# KiCad board tinysdr.kicad_pcb (continued)
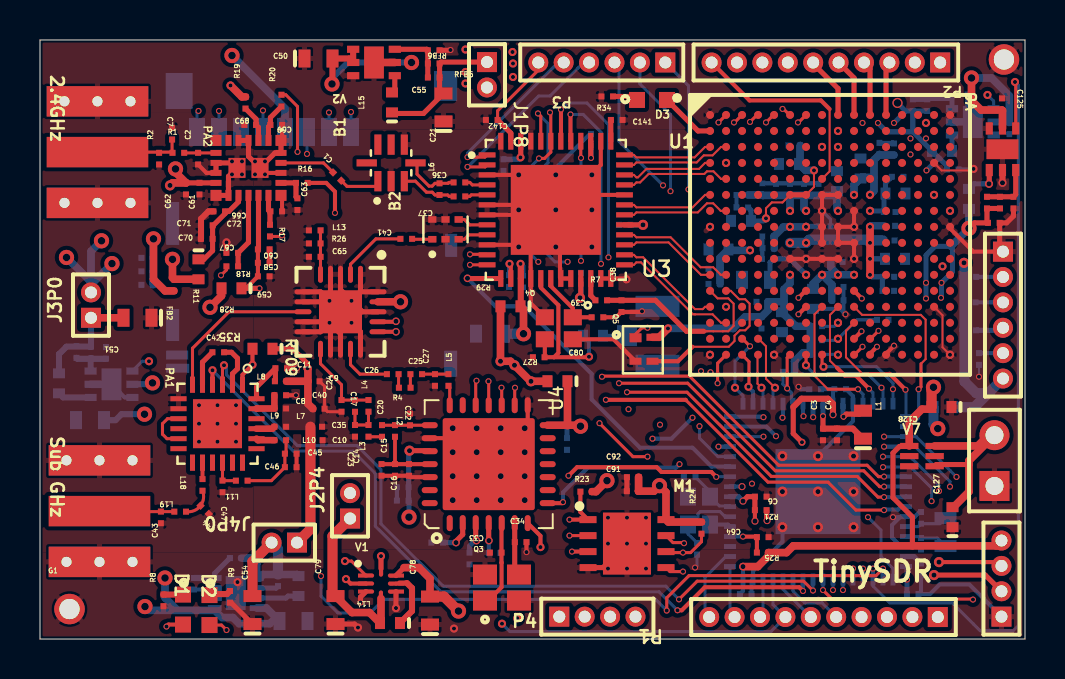
[diagram p0: board, top side]
## Nets (continued)
FPGA_TCK: FPGA.5 R22.2 U1.T10
FPGA_TDI: FPGA.4 R5.1 U1.R11
FPGA_TDO: FPGA.3 R6.1 U1.M10
FPGA_TMS: FPGA.2 R12.1 U1.T11
GPIO1: P2.1 U1.G16
GPIO2: P2.6 U1.A9
GPIO3: P2.5 U1.A10
GPIO4: P2.4 U1.A11
GPIO5: P2.3 U1.A12
GPIO6: P2.2 U1.F15
GPIO7: P2.7 U1.B9
GPIO8: P2.8 U1.C9
GPIO9: P2.9 U1.C8
GPIO10: P2.10 U1.E8
HFXIn: C77.2 Q2.3 U2.55
HFXOut: C76.1 Q2.1 U2.54
IQ_Radio_09: C41.2 RF09.2
IQ_Radio_24: C1.2 PA2.21
IQRadio_VCC: C135.1 C136.1 C137.1 C138.1 C139.1 C140.1 R29.1 U3.15 U3.21 U3.29 U3.39 U3.46
LED1: D1.2 U2.35 V5.4 V6.4
LED2: D2.2 U2.34
LFXIN: C75.2 Q1.1 U2.28
LFXOUT: C74.1 Q1.2 U2.29
MCU_CS: U1.R3 U2.1
MCU_GPIO1: P1.9 U2.49
MCU_GPIO2: P1.10 U2.50
MCU_GPIO7: P1.1 U2.19 U3.42
MCU_GPIO8: P1.2 U2.20 U3.41
MCU_GPIO9: P1.3 U2.21 U3.44
MCU_GPIO10: P1.4 U2.22 U3.43
MCU_MISO: U1.T4 U2.3
MCU_MOSI: U1.R4 U2.4
MCU_SCLK: U1.T3 U2.2
MSP_Radio_IRQ: U2.60 U3.40
Net2.4GHz_2: 2.4GHz.2 C7.2 R1.1 R2.2
NetB1_1: B1.1 C1.1
NetB2_1: B2.1 C41.1
NetC2_2: C2.2 PA2.8 R1.2
NetC3_2: C3.2 C4.2 L1.1 U2.9
NetC5_2: C5.2 C6.2 R21.2 U2.32 U2.56
NetC8_1: C8.1 L7.1 PA1.23
NetC11_1: C11.1 L8.1 PA1.24
NetC14_2: C14.2 C15.2 C16.2 L2.2 U4.25
NetC17_2: C17.2 C23.1 L3.2 L4.1
NetC20_1: C20.1 L3.1
NetC20_2: C20.2 C22.2 L2.1 U4.22
NetC21_2: C21.2 C55.2 J1P8.1 L15.1 RFB5.2
NetC25_1: C25.1 R4.2
NetC25_2: C25.2 C27.2 L5.2
NetC26_2: C26.2 R4.1
NetC28_2: C28.2 U4.4
NetC31_2: C31.2 U4.2
NetC42_1: C42.1 PA1.5
NetC42_2: C42.2 PA1.2
NetC43_2: C43.2 L19.2 Sub GHz.2
NetC44_2: C44.2 L18.2 L19.1
NetC45_1: C45.1 C46.1 L10.2 L11.1
NetC47_1: C47.1 L11.2 PA1.16
NetC51_2: C51.2 C56.2 J3P0.1 L16.1 RFB3.2
NetC54_2: C54.2 J4P0.2 L17.2 R30.2 RFB1.1 V4.5
NetC55_1: C55.1 RFB5.1 RFB6.2 V2.3
NetC56_1: C56.1 RFB3.1 RFB4.2 V3.3
NetC58_1: C58.1 C60.1
NetC63_2: C63.2 PA2.19 R16.1
NetC64_2: C64.2 R25.2 U2.52
NetC65_2: C65.2 L13.2 R26.2 RF09.5
NetC66_2: C66.2 PA2.17 R17.1
NetC67_1: C67.1 PA2.15 R18.1
NetC68_2: C68.2 PA2.3 R19.1
NetC69_2: C69.2 PA2.2 R20.1
NetC79_2: C79.2 J2P4.1 L14.2 V1.4
NetC95_1: C95.1 RFB7.1 RFB8.2 V5.3
NetC124_1: C124.1 RFB9.1 RFB10.2 V6.3
NetD1_1: D1.1 R8.2
NetD2_1: D2.1 R9.2
NetD3_1: D3.1 R34.2
NetL5_1: L5.1 U4.21
NetL9_1: L9.1 PA1.21
NetL10_1: L10.1 PA1.20
NetL12_2: L12.2 V5.1
NetL14_1: L14.1 V1.6
NetL15_2: L15.2 V2.1
NetL16_2: L16.2 V3.1
NetL17_1: L17.1 V4.7
NetL18_1: L18.1 PA1.14
NetL20_2: L20.2 V6.1
NetPA1_1: PA1.1 R35.2
NetPA1_6: PA1.6 RF09.8
NetPA1_9: PA1.9 PA1.11
NetR3_2: R3.2 U2.31
NetR7_1: R7.1 U3.22
NetR10_2: R10.2 TXCO_IN.1
NetR30_1: R30.1 V4.6
NetRFB1_2: RFB1.2 RFB2.2 V4.4
PL5_N: U1.C2 U3.35
PL5_P: U1.C1 U3.36
PL8_N: U1.E2 U3.33
PL8_P: U1.D1 U3.34
PL14_N: U1.G2 U3.30
PL14_P: U1.F1 U3.31
PL26_N: U1.L1 U3.27
PL26_P: U1.L2 U3.28
PL32_N: U1.P2 U3.25
PL32_P: U1.N1 U3.26
RF09_CPS: PA1.3 U2.41
RF09_CTX: PA1.4 U2.42
RF09_N: B2.3 U3.9
RF09_P: B2.4 U3.8
RF09_SW_A0: RF09.17 U2.5
RF09_SW_A1: RF09.16 U2.57
RF24_CPS: R18.2 U2.33
RF24_CRX: R20.2 U2.8
RF24_CTX: R17.2 U2.62
RF24_N: C37.1 U3.5
RF24_P: C36.1 U3.4
RF_DVDD: C141.1 U3.37
SD_CLK: microSD.5 U1.A4
SD_CMD: microSD.3 U1.A7
SD_DAT0: microSD.7 U1.A5
SD_DAT1: microSD.8 U1.A6
SD_DAT2: microSD.1 U1.A2
SD_DAT3: microSD.2 U1.A3
TCK_SWDCLK: MCU.3 U2.64
TCXO: C80.2 Q4.3 R10.1 U3.17
TMS_SWDIO: MCU.2 U2.63
V_PA24_1P8V: C58.2 C59.2 C60.2 PA2.16 R16.2 R28.1
V_PA24_3P0V: C70.2 C71.2 C72.2 PA2.14 R11.1
VSW: L1.2 U2.11
XTA: C33.1 Q3.1 U4.5
XTAL2: C39.2 Q4.1 U3.18
XTB: C34.1 Q3.3 U4.6

Pads without a net: B1 6 7 8; microSD 9 10; PA1 10 12 13 15 17 18 19 22; PA2 6; U1 A8 A13 A14 A15 B2 B3 B4 B5 B6 B7 B8 B10 B11 B12 B13 B14 B15 B16 C3 C4 C5 C6 C7 C10 C11 C12 C13 C14 C15 C16 D3 D4 D5 D6 D7 D8 D9 D10 D11 D12 D13 D14 D16 E1 E3 E4 E5 E6 E7 E9 E10 E11 E12 E13 E14 E15 E16 F2 F3 F4 F5 F12 F13 F14 F16 G1 G3 G4 G5 G12 G13 G14 G15 H2 H3 H4 H5 H12 H13 H14 H15 J1 J2 J3 J4 J5 J12 J13 J14 J15 J16 K1 K2 K3 K4 K5 K12 K13 K14 K15 K16 L3 L4 L5 L12 L13 L14 L15 L16 M3 M4 M5 M6 M8 M9 M11 M12 M13 M14 M15 M16 N3 N4 N5 N6 N11 N12 N13 N14 N16 P1 P3 P4 P5 P6 P7 P8 P11 P12 P13 P14 P15 P16 R1 R2 R5 R6 R7 R8 R12 R13 R14 R15 R16 T13 T14 T15; U4 1 9 10 11 12 13 20 27 28; V7 2 5

## Via types
v1: diameter 0.406, hole 0.203, Top Layer to Bottom Layer, 88 vias
v2: diameter 0.305, hole 0.203, Top Layer to Bottom Layer, 152 vias
v3: diameter 0.406, hole 0.254, Top Layer to Bottom Layer, 2 vias
v4: diameter 0.762, hole 0.381, Top Layer to Bottom Layer, 25 vias
v5: diameter 0.508, hole 0.254, Top Layer to Bottom Layer, 28 vias
v6: diameter 0.381, hole 0.254, Top Layer to Bottom Layer, 7 vias
v7: diameter 0.356, hole 0.254, Top Layer to Bottom Layer, 5 vias
v8: diameter 0.356, hole 0.203, Top Layer to Bottom Layer, 1 via
v9: diameter 0.508, hole 0.381, Top Layer to Bottom Layer, 1 via
v10: diameter 0.381, hole 0.203, Top Layer to Bottom Layer, 10 vias
v11: diameter 0.6, hole 0.3, Top Layer to Bottom Layer, 16 vias
v12: diameter 0.5, hole 0.203, Top Layer to Bottom Layer, 4 vias

## Routing (per net, layer and track width the routed paths; a pad name or vN(x,y) marks a point on that pad's centre or on a via; arc(x,y) is an arc through that point)
AVDD0: length 19.3
  Top Layer w0.203: v1(23.47,18.78) 23.54,18.71 U3.14
  Mid2Sig1 w0.152: v2(32.43,22.5) 31.53,21.6 30.17,21.6 28.89,20.33 23.99,20.33 23.47,19.81 v1(23.47,18.78)
  Bottom Layer w0.152: v2(32.43,22.5) 32.43,27.69 P3.1
  Bottom Layer w0.203: C143.1 23.45,18.75 v1(23.47,18.78)
AVDD1: length 5.1
  Top Layer w0.152: C142.1 22.88,26.43 24.91,28.47 P3.6
  Top Layer w0.254: C142.1 22.88,25.98 23.54,25.32 U3.47
GND: length 155.1
  Top Layer w0.102: U1.T16 v1(45.5,14.23) 45.13,14.6 45.13,16.2 U1.N15 ; U1.D15 45.08,23.45 46.6,23.45 v1(46.68,23.53) ; 47.98,19.55 FPGA.1
  Top Layer w0.152: C24.1 14.38,11.38 C40.2 14.23,12.65 C9.2
  Top Layer w0.203: C2.1 8.32,23.33 PA2.10 ; PA2.1 12.1,25 C69.1 ; v1(40.7,19.03) U1.J10 U1.J9 U1.H9 v1(40.7,20.63) U1.G10 ; 24.53,20.22 24.04,19.73 U3.10 ; 24.53,20.22 25.54,21.23 ; 24.53,20.22 24.53,18.05 U3.16 24.54,16.8 Q4.2 ; PA2.23 11.25,23.33 PA2.20 ; U1.F9 U1.F8 v1(39.1,21.43) U1.H8 U1.J8 ; U3.7 25.54,21.23 ; 25.54,21.23 v5(25.79,21.48) ; FPGA.1 46.66,19.39 45.5,20.55 U1.H16 ; v5(25.79,21.48) 26.54,22.23 ; v5(25.79,21.48) 26,21.27 26,18.08 U3.19 U3.20 ; C8.2 v2(12.8,12.2) ; C14.1 C15.1 C16.1 18.52,8.1 U4.26 ; v2(24.33,4.35) C34.2 ; 26.54,22.23 U3.32 ; 26.54,22.23 28.04,23.73 U3.38 ; U3.23 U3.24 29.28,18.04 v1(29.33,18) ; Q5.2 28.68,15 Q4.4 ; U1.K6 v1(38.3,19.03) U1.K8 U1.K9 ; U3.6 25.54,21.73 24.04,23.23 U3.3 ; PA2.18 12.1,22.15 C66.1 ; U4.23 21.14,10.05 v11(21.84,9.35) U4.29 v11(23.04,9.35) v11(24.24,10.55) 24.39,10.7 U4.15 ; C39.1 28.81,16.1 C38.1 30.07,16.37 v2(30.1,16.4) ; v2(42.7,14.68) 42.3,14.28 U1.T12 ; C46.2 C45.2
  Top Layer w0.254: 16.03,17.38 RF09.1 ; 16.03,17.38 RF09.20 ; 16.03,17.38 v12(15.57,16.93) ; v12(15.57,16.93) 15.03,17.48 RF09.3 ; v12(15.57,16.93) 16.12,16.38 RF09.18 ; 14.53,15.78 15.03,15.28 RF09.13 ; 14.53,15.78 RF09.12 ; 14.53,15.78 v12(14.47,15.83) ; RF09.15 16.03,15.38 v12(15.57,15.83) RF09.21 ; v1(17.8,1.55) V1.5 ; v12(14.47,15.83) 14.53,15.88 RF09.9 ; v12(14.47,15.83) 14.03,15.38 RF09.10 ; RF09.4 14.53,16.88 v12(14.47,16.93) ; M1.4 28.15,3.58 v1(29.35,4.78) ; R9.1 9.55,1.82 C54.1 ; V1.3 16.03,2.1 v2(16.03,1.83) ; PA2.5 PA2.4 10.43,24.15 PA2.23 11.75,24.33 PA2.22 PA2.1 ; RFB10.1 48.68,21.17 48.33,20.83 C99.1 47.98,19.55 ; v1(9.33,19.85) 9.33,19.33 C67.2 ; RFB6.1 20.51,29.46 v2(20.53,29.48) ; PA2.12 PA2.13 9.43,23.15 PA2.24 9.6,23.83 PA2.9 PA2.10 ; C79.1 15.73,0.75 v1(15.9,0.58) ; C91.1 29.35,7.4 C92.1 ; v12(14.47,16.93) 14.03,17.38 RF09.6 ; v12(14.47,16.93) 14.43,16.88 RF09.7 ; C11.2 v2(12.85,13.55)
  Top Layer w0.305: v3(48.12,22.83) V6.2 ; C72.1 8.43,21.4 8.05,21.03 C71.1 8.05,20.03 C70.1
  Top Layer w0.381: V2.7 V2.2
  Bottom Layer w0.102: v2(46.95,13.12) R22.1
  Bottom Layer w0.152: v2(32.75,3.58) 32.85,3.67 C76.2 ; C85.2 39.53,21 v1(39.1,21.43)
  Bottom Layer w0.203: v5(37.12,5.6) 37.13,5.59 37.13,4.88 35.65,3.4 U2.47 35.58,2.91 C13.1 ; C123.2 40,16.53 40.18,16.35 ; V4.2 V4.3 8.66,2.47 RFB2.1 ; C101.2 38.9,22.8 C106.2 ; R3.1 44.05,2.37 C5.1 44.5,2.25 44.98,2.73 46.46,2.73 MCU.1 ; Q2.4 34.4,5.73 U2.53 ; 43,6.1 43.27,6.1 U2.27 43.75,6.13 43.97,6.35 C75.1 ; 43,6.1 42.6,5.7 42.6,5.08 43.06,4.62 U2.30 43.9,4.62 C74.2 ; 43,6.1 v2(42.65,6.1) ; v5(38.9,9.15) 40.65,10.9 U2.12 40.65,12.15 C73.1 ; C139.2 27.5,25.28 25.79,23.57 v5(25.79,23.23) ; C84.2 C104.2 ; V3.6 4.24,12.09 V3.7 ; v1(46.68,23.53) 46.65,23.5 C94.1 ; C112.2 C100.2 40.18,16.35 ; C88.2 36.12,19.05 C105.2 ; C32.1 C29.1 ; 40.18,16.35 v2(40.28,16.25) ; C12.1 38.05,12.5 v2(37.93,12.62)
  Bottom Layer w0.254: V5.7 46.38,26.13 RFB8.1 ; C114.2 42,24.8 C108.2
  Bottom Layer w0.381: V5.2 V5.7 ; V3.2 V3.7
  vias: v1(9.88,2.85) v1(20.7,0.53) v1(28.4,6.08) v1(28.4,4.78) v1(28.4,3.53) v1(29.35,6.08) v1(29.35,3.53) v1(30.3,6.08) v1(30.3,4.78) v1(30.3,3.53) v1(33.5,20.62) v1(33.5,14.23) v1(34.3,23.83) v1(36.7,14.23) v2(9.6,23.9) v2(9.6,23.25) v2(10.1,23.9) v2(10.1,23.25) v2(10.75,23.9) v2(10.75,23.25) v2(11.25,23.9) v2(11.25,23.25) v5(23.94,23.23) v5(23.94,21.48) v5(23.94,19.62) v5(25.79,19.62) v5(27.59,23.23) v5(27.59,21.48) v5(27.59,19.62) v5(37.12,9.15) v5(37.12,7.38) v5(38.9,7.38) v5(38.9,5.6) v5(40.68,9.15) v5(40.68,7.38) v5(40.68,5.6) v10(7.95,11.7) v10(7.95,10.78) v10(7.95,9.88) v10(8.88,11.7) v10(8.88,10.78) v10(8.88,9.88) v10(9.8,11.7) v10(9.8,10.78) v10(9.8,9.88) v10(34.3,16.62) v11(20.64,10.55) v11(20.64,9.35) v11(20.64,8.15) v11(20.64,6.95) v11(21.84,10.55) v11(21.84,8.15) v11(21.84,6.95) v11(23.04,10.55) v11(23.04,8.15) v11(23.04,6.95) v11(24.24,9.35) v11(24.24,8.15) v11(24.24,6.95)
VBat: length 46.7
  Top Layer w0.254: 46.45,8.73 44.82,8.73 V7.4 ; V1.7 18.2,3.58
  Top Layer w0.305: v4(14.6,27.78) 14.62,27.8 C50.2 15.46,29.05 V2.5 V2.4
  Top Layer w0.381: C127.2 45.68,6.6 46.45,7.37 46.45,8.93 VBat.2 47.42,10.2 46.88,9.66 V7.6 ; v4(46.58,28.08) 46.58,26.95 47.05,26.47 C125.2 48.12,26.45 V6.5 ; C78.2 19.5,3.02 18.95,3.58 18.2,3.58
  Top Layer w0.508: C78.2 20.2,2.13 v4(20.93,1.4)
  Mid3Sig2 w0.305: v4(46.58,28.08) 44.33,25.83 v1(44.3,25.83)
  Bottom Layer w0.305: v4(14.6,27.78) 14.6,28.05 15.4,28.85 v4(18.58,28.85) ; V3.5 5.56,12.75 v4(5.62,12.82) ; v4(5.22,11.25) 4.07,11.25 3.78,10.95 C52.2 ; V5.5 48.44,25.88
  Bottom Layer w0.381: 11.8,1.08 11.49,0.77 9.96,0.77 9.65,1.08 9.1,1.08 8.74,1.44 6.88,1.44 ; 11.8,1.08 C53.2 ; 11.8,1.08 11.33,1.55 V4.8 ; v4(5.25,1.62) 5.44,1.44 6.88,1.44 ; v4(6.25,3.05) 6.25,2.06 6.88,1.44 ; v4(46.58,28.08) 47.57,28.08 48.47,27.18 C98.2
  vias: v1(21.28,29.5) v1(21.28,28.38) v1(21.28,27.8) v1(23.62,29.38) v1(23.65,28.8) v1(23.65,28.12)
VCC_D2: length 8.6
  Top Layer w0.381: R29.2 v5(23.02,13.9) 23.53,13.9 v5(23.72,13.7) 24.53,12.9 v5(24.55,12.9) 24.55,12.9 R27.2
  Bottom Layer w0.254: 38.32,20.65 C85.1
  Bottom Layer w0.381: 38.32,20.65 v1(38.3,20.62) v1(37.5,20.62) 37.18,20.62 C88.1 36.71,20.14 C82.1
VCC_SD: length 22.7
  Top Layer w0.381: FB2.2 6.25,17.42 5.68,18 v4(5.68,20.03)
  Mid2Sig1 w0.381: v4(9.6,29.2) 7.25,29.2 5.65,27.6 5.68,27.58 v4(5.68,20.03)
  Bottom Layer w0.381: C49.2 C57.2 C48.2 5.65,20 v4(5.68,20.03) ; v4(9.6,29.2) 12.25,26.55 microSD.4
1P1V: length 24.4
  Mid2Sig1 w0.381: v1(40.7,18.23) 39.9,19.03 v1(39.9,21.43)
  Bottom Layer w0.254: 43.64,25.38 42.34,25.38 v2(41.9,25.83) ; 43.64,25.38 L12.1 44.96,24.06 ; 43.64,25.38 RFB7.2 ; v2(42.7,25.83) 43.28,26.4 43.28,26.42 ; 43.28,26.42 RFB7.2 ; 43.28,26.42 v9(42.88,26.83) ; RFB7.2 C95.2 ; v2(44.33,23.45) 44.94,24.06 44.96,24.06 ; 44.96,24.06 45.35,23.68 C94.2
  Bottom Layer w0.381: C123.1 38.65,17.77 v1(39.1,18.23) ; v1(39.1,18.23) v1(39.9,18.23) ; v1(39.1,18.23) 39.6,17.73 C112.1 C100.1 ; v1(39.9,18.23) v1(40.7,18.23) ; v1(39.9,18.23) 39.55,18.58 C117.1 ; C102.1 38.2,21.53 v1(38.3,21.43) ; C102.1 C96.1 ; C102.1 C106.1 39.64,22.2 C122.1 39.85,21.48 v1(39.9,21.43) ; C96.1 C111.1 36.14,22.2 C101.1 C104.1 ; C96.1 v1(37.5,21.43)
  vias: v2(41.12,25.83) v2(43.53,25.05) v2(43.53,24.25) v2(44.3,25.05)
1P8V: length 14.3
  Top Layer w0.254: 7.3,22.83 PA2.11
  Top Layer w0.381: R24.2 31.42,5.85 M1.8 31.3,7.35 v4(30.98,7.68) 30.7,7.4 C91.2 29.93,7.4 C92.2 ; v4(28.35,7.93) 27.8,7.38 R23.2 ; v4(6.78,23.53) 6.78,23.35 C62.2 7.3,22.83 6.62,22.83 v5(6.5,22.7) ; v4(8.5,16.6) 9.07,17.17 R28.2 ; RF09.19 v4(18.03,16.88) ; R19.2 10.1,27.13 v1(9.53,27.7) ; v4(44.89,10.53) 44.92,10.53
  Bottom Layer w0.508: v4(44.89,10.53) 44.89,10.54 44.68,10.75 R33.1
1P8V_MCU: length 36.8
  Top Layer w0.254: 43.62,4.66 43.62,6.11 42.65,7.07 42.65,9.31 42.98,9.64 43.44,9.64 V7.1 ; 37.66,11.61 37.66,10.28 v8(38.1,9.85) ; R21.1 36.33,5.95 v7(36.35,5.93)
  Top Layer w0.305: v7(39.65,11.22) 39.65,11.77 39.4,12.02 38.07,12.02 37.66,11.61
  Top Layer w0.381: v6(35.15,3.62) 35.89,3.62 36.43,4.16 R25.1 37.33,4.33 37.66,4.66 47.81,4.66 MCU.4 ; V7.1 43.46,10.87 44.1,11.5 44.52,11.5 44.57,11.56 C128.2
  Top Layer w0.508: 44.65,12.58 44.65,12.51 44.58,12.44 44.58,11.62 C128.2
  Mid3Sig2 w0.356: v7(36.35,5.93) 36.85,6.43 37.33,6.43 38.1,7.2 v8(38.1,9.85)
  Bottom Layer w0.203: C12.2 C73.2 39.65,12.43 U2.10 ; C13.2 35.15,2.4 U2.48 v6(35.15,3.62)
  Bottom Layer w0.254: v7(39.65,11.22) U2.10
  vias: v4(44.68,12.6)
2P5V: length 22.2
  Top Layer w0.254: v4(46.45,20.55) 46.73,20.83 C99.2 47.35,20.88 C124.2 RFB9.2
  Mid3Sig2 w0.381: v1(41.5,21.43) 43.03,21.43 43.65,20.8 46.2,20.8 v4(46.45,20.55)
  Bottom Layer w0.254: v2(45.05,17.08) 45.08,17.1 v2(45.08,17.83) 45.62,18.38 45.62,19.65 44.75,19.65 44.3,19.2 v2(44.3,17.83) v2(44.3,17.04) ; C121.1 36.5,18.85 C105.1 37.5,19.03 v1(38.3,18.23) ; C103.1 42.28,22.81 C116.1 42.2,22.22 C110.1 42.14,21.43 v1(41.5,21.43)
  Bottom Layer w0.381: L20.1 v4(46.45,20.55) 45.55,19.65
3P0V: length 8.1
  Top Layer w0.381: R11.2 7.92,18 FB2.1 6.62,18.08 v4(6.62,19)
  Bottom Layer w0.381: v4(3.07,19.93) 2.55,19.4 2.55,17.87 v4(1.33,19.09) ; J3P0.2 2.55,17.74 v4(3.6,18.79)
4P0V: length 11.6
  Top Layer w0.254: v1(13.38,13.55) 13.38,13.78 12.63,14.53 R35.1
  Top Layer w0.381: L8.2 13.39,12.9 C9.1 ; C9.1 13.4,11.78 C40.1 ; C9.1 13.4,13.53 v1(13.38,13.55)
  Top Layer w0.508: C35.1 13.52,5.5 J4P0.1
\~{RSTN: length 19.4
  Top Layer w0.254: U3.13 21.38,18.04 v6(21.38,18.05)
  Bottom Layer w0.203: v6(21.38,18.05) 22.78,16.65 24.2,16.65 27.58,13.27 27.58,11.99 30,9.58 32.62,9.58 33.57,8.63 U2.59
ADC_A0: length 2.5
  Bottom Layer w0.152: P1.6 37.15,2.49 U2.44
ADC_A1: length 3.3
  Bottom Layer w0.152: U2.43 37.65,2.4 38.25,1.8 39.11,1.8 P1.5
ADC_VREF_N: length 23.4
  Top Layer w0.254: V1.8 v1(17.05,4.15)
  Mid2Sig1 w0.152: P1.8 35.3,0.4 34.44,0.4 34.44,0.4 33.75,0.4 33.75,0.4 24.5,0.4 v1(23.86,1.04)
  Mid3Sig2 w0.152: v1(17.05,4.15) 20.75,4.15 v1(23.86,1.04)
  Bottom Layer w0.152: P1.8 36.15,1.25 U2.46
ADC_VREF_P: length 42.4
  Mid3Sig2 w0.152: v1(23.1,0.77) 20.44,3.43 16.82,3.43 11.43,8.82 11.43,11.39 9.77,13.04 6.96,13.04 6.1,13.9 v1(5.45,13.9)
  Bottom Layer w0.152: V3.4 5.11,13.9 v1(5.45,13.9) ; U2.45 36.65,1.72 P1.7 36.55,0.38 23.49,0.38 v1(23.1,0.77)
B1_N: length 2.8
  Top Layer w0.152: C37.2 20.45,22.15 20.38,22.22 L6.1 19.75,22.22 19.61,22.36 19.32,22.36 18.77,22.91 B1.3
B1_P: length 2.7
  Top Layer w0.152: C36.2 20.45,22.85 20.41,22.8 L6.2 19.75,22.8 19.61,22.66 19.45,22.66 18.85,23.26 18.85,23.75 B1.4
BR_CS: length 26.5
  Top Layer w0.152: v2(21.83,12.93) 21.79,12.89 U4.19 ; v2(28.1,13.12) 28.13,13.16 32.47,13.16 36.93,8.7 41.35,8.7 41.92,8.13 v2(42.2,8.13)
  Mid2Sig1 w0.152: v2(21.83,12.93) 21.83,13.53 22.93,14.63 26.37,14.63 27.88,13.12 v2(28.1,13.12)
  Bottom Layer w0.203: 42.18,8.15 v2(42.2,8.13) U2.23
BR_DIO: length 10.6
  Top Layer w0.203: U4.8 26.1,6.8 v2(26.15,6.85)
  Mid2Sig1 w0.203: v2(31.97,8.75) 33.05,8.75 v2(33.93,9.62)
  Bottom Layer w0.203: v2(26.15,6.85) 26.15,7.34 27.39,8.58 31.8,8.58 v2(31.97,8.75) ; v2(33.93,9.62) 34.5,9.62 U2.61
BR_MISO: length 23.7
  Top Layer w0.152: 32.3,11.95 36.4,7.85 39.4,7.85 40.8,6.45 42.2,6.45 v2(42.2,6.45) ; U4.17 23.09,12.56 v2(23.08,12.58)
  Top Layer w0.203: v2(28.29,11.97) 32.28,11.97 32.3,11.95
  Mid2Sig1 w0.203: v2(23.08,12.58) 23.7,11.95 23.72,11.97 v2(28.29,11.97)
  Bottom Layer w0.203: U2.26 43.28,6.61 43.03,6.61 42.9,6.48 42.3,6.48 42.29,6.47 42.22,6.47 v2(42.2,6.45)
BR_MOSI: length 25.6
  Top Layer w0.152: U4.18 22.44,12.89 v2(22.43,12.9) ; v2(29.35,12.35) 32.35,12.35 36.56,8.14 40.86,8.14 41.9,7.1 v2(42.2,7.1)
  Mid2Sig1 w0.152: v2(29.35,12.35) 29.35,12.35 28.35,11.35 23.53,11.35 22.43,12.45 v2(22.43,12.9)
  Bottom Layer w0.203: v2(42.2,7.1) 43.27,7.1 U2.25
BR_NReset: length 14.1
  Top Layer w0.203: v1(25.03,4.6) 25.03,5.16 U4.7 ; v2(26.43,8.17) 26.85,8.6 30.83,8.6 31.08,8.36 33.57,8.36 v2(33.81,8.11)
  Mid2Sig1 w0.203: v1(25.03,4.6) 25.03,6.77 v2(26.43,8.17)
  Bottom Layer w0.152: U2.58 33.83,8.13 v2(33.81,8.11)
BR_RF_RX: length 2.8
  Top Layer w0.152: C26.1 16,13.25 15.52,13.73 RF09.14
BR_RF_TX: length 4.3
  Top Layer w0.152: RF09.11 14.03,13.78 15.08,12.73 C24.2 L4.2
BR_SCLK: length 23.8
  Top Layer w0.152: v2(42.2,7.62) 41.98,7.62 41.19,8.42 36.77,8.42 32.38,12.8 v2(28.95,12.8) ; U4.16 23.74,12.56 v2(23.75,12.58)
  Mid2Sig1 w0.152: v2(23.75,12.58) 23.75,12.93 24.68,13.85 26.58,13.85 27.66,12.77 28.92,12.77 v2(28.95,12.8)
  Bottom Layer w0.203: U2.24 43.3,7.62 v2(42.2,7.62)
BR_VCC: length 25.4
  Top Layer w0.254: v6(21.82,4.93) 21.79,4.96 U4.3 ; v5(18.47,9.43) 19.46,9.43 U4.24
  Top Layer w0.381: v4(27.03,10.65) 26.97,10.7 26.38,10.7 ; 26.38,10.7 R27.1 ; 26.38,10.7 U4.14 ; 26.38,10.7 26.38,10.68
  Mid2Sig1 w0.381: v6(21.82,4.93) 20.65,6.1 v4(18.45,6.1)
  Mid3Sig2 w0.381: v4(27.03,10.65) 26.25,10.65 25.4,9.8 25.4,6.62 24.72,5.95 22.53,5.95 21.82,5.25 v6(21.82,4.93)
  Bottom Layer w0.254: C18.2 26.35,10.75 26.45,10.65 ; 26.45,10.65 v4(27.03,10.65) ; 26.45,10.65 26.35,10.65 26.35,10.65 C19.2 ; v4(18.45,6.1) 18.45,6.9 C32.2 C29.2 18.43,9.38 v5(18.47,9.43) ; C30.2 21.47,4.65 21.75,4.93 v6(21.82,4.93)
CFG0: length 9.7
  Top Layer w0.102: 44.05,13.78 44.28,14.01 44.28,15.98 44.04,16.22 41.11,16.22 U1.N10
  Top Layer w0.152: v2(43.93,12.5) 44.05,12.62 44.05,13.78
  Bottom Layer w0.152: U2.18 43.51,10.63 43.93,11.05 v2(43.93,12.5)
CFG1: length 6.9
  Top Layer w0.102: 41.28,13.28 41.12,13.28 40.3,14.09 40.3,15.42 U1.P10
  Top Layer w0.152: 41.28,13.28 42.47,13.28
  Top Layer w0.203: 42.47,13.28 v2(43.28,12.48)
  Bottom Layer w0.152: v2(43.28,12.48) 43.3,12.45 U2.17
CFG2: length 6.6
  Top Layer w0.203: U1.R10 41.08,15.4 v2(41.08,15.4)
  Mid2Sig1 w0.152: v2(38.18,11.15) 40.7,13.68
  Mid2Sig1 w0.203: v2(41.08,15.4) 40.7,15.03 40.7,13.68
  Bottom Layer w0.203: v2(38.18,11.15) 38.15,11.18 U2.7
CLKO: length 9.6
  Top Layer w0.102: U1.M1 33.88,17.05 34.42,17.05 34.68,16.78 34.68,15.67 34.42,15.4 34.15,15.4 34.14,15.4 33.66,15.4 33.66,15.4 33.35,15.4 33.34,15.4 33.19,15.4
  Top Layer w0.254: R7.2 C38.2 30.77,16.95 32.33,15.4 33.19,15.4
D2_CTL1: length 28.3
  Top Layer w0.203: V1.2 15.53,2.77 v1(15.3,3)
  Mid2Sig1 w0.152: v2(41.15,3.53) 41.15,3.52 40.8,3.17 40.5,3.17 40.15,3.52 36.23,3.52 35.37,2.65 18.72,2.65 18.58,2.8 15.5,2.8 v1(15.3,3)
  Bottom Layer w0.203: U2.36 v2(41.15,3.52)
D2_CTL2: length 28.2
  Top Layer w0.152: V1.1 15.57,3.9 v1(15.25,3.9)
  Mid2Sig1 w0.152: v1(15.25,3.9) 15.58,3.9 16.28,3.2 18.57,3.2 18.84,2.93 35.25,2.93 36.12,3.8 40.38,3.8 40.65,3.53
  Bottom Layer w0.203: U2.37 v2(40.65,3.53)
DONE: length 27.8
  Top Layer w0.152: v2(46.65,1.98) 46.62,2 39.6,2 39.15,2.45 v2(39.15,2.45)
  Mid3Sig2 w0.152: v2(46.65,1.98) 46.74,2.06 46.74,12.34 43.25,15.83 v1(39.9,15.83)
  Bottom Layer w0.152: v2(39.15,2.45) U2.40 ; R14.2 39.72,15.65 v1(39.9,15.83)
FEA09: length 19.4
  Top Layer w0.152: v2(21.5,19.25) 22.33,19.25 U3.11
  Mid2Sig1 w0.152: v2(31.15,22.7) 24.56,22.7 24.54,22.72 23.3,21.49 23.3,21.05 v2(21.5,19.25)
  Bottom Layer w0.152: v2(31.15,22.7) 28.95,24.9 28.95,28.62 P3.3
FEA24: length 7.9
  Top Layer w0.152: U3.1 22.24,24.12 v2(21.38,24.12)
  Bottom Layer w0.152: v2(21.38,24.12) 21.38,24.32 25.9,28.84 25.9,28.85 P3.5
FEB09: length 19.5
  Top Layer w0.152: v2(21.5,18.73) U3.12
  Mid2Sig1 w0.152: v2(21.5,18.73) 23.79,21.02 24.27,21.02 25.59,22.34 31.54,22.34 31.53,22.36 v2(31.53,22.41)
  Bottom Layer w0.152: P3.2 30,27.78 31.53,26.25 v2(31.53,22.41)
FEB24: length 9.3
  Top Layer w0.152: U3.2 22.25,23.62 v2(21.38,23.62)
  Bottom Layer w0.152: v2(21.38,23.62) 21.39,23.62 24.94,27.18 25.5,27.18 26.89,28.56 26.89,28.56 27.18,28.85 P3.4
FLASH_CS: length 40.3
  Top Layer w0.102: 39.4,12.5 38.73,13.17 38.73,16.25 U1.N8
  Top Layer w0.152: 39.4,12.5 v2(40.9,12.5)
  Top Layer w0.203: R23.1 27.02,6.35 M1.1 v2(26.47,5.98)
  Mid2Sig1 w0.152: v2(26.47,5.98) 27,5.45 27.42,5.45 27.44,5.48 35.84,5.48 36.25,5.08 42.6,5.08 43.3,5.78 43.3,10.05 42.8,10.55 42.03,10.55 40.9,11.68 v2(40.9,12.5)
  Mid3Sig2 w0.203: P4.1 25.75,1.34 25.75,5.25 v2(26.47,5.98)
  Bottom Layer w0.152: U2.13 41.15,12.25 v2(40.9,12.5)
FLASH_IO0: length 30.8
  Top Layer w0.152: U1.T8 39.1,13.63 39.11,13.63 v1(39.18,13.63) ; v2(32.15,3.38) 31.5,3.38 M1.5
  Mid2Sig1 w0.152: v2(32.15,3.38) 32.31,3.22 33.39,3.22 34.26,4.09 42.87,4.09 44.18,5.4 44.18,10.37 42.65,11.9 v2(42.65,12.5)
  Mid3Sig2 w0.152: v2(32.15,3.38) 32.15,2.82 30.43,1.1 29.79,1.1 P4.4
  Bottom Layer w0.152: U2.16 v2(42.65,12.5) 42.65,12.8 41.82,13.63 v1(39.18,13.63)
FLASH_IO1: length 37.7
  Top Layer w0.152: U1.T7 38.3,13.7 v1(38.3,13.7) ; v2(26.48,5.18) M1.2
  Mid2Sig1 w0.152: v2(26.47,5.18) 27.3,5.18 28.3,4.18 30.37,4.18 30.61,3.93 33.7,3.93 34.14,4.37 42.69,4.37 43.9,5.58 43.9,10.24 43.03,11.11 42.74,11.11 42.08,11.78 v2(42.08,12.58)
  Mid3Sig2 w0.152: v2(26.47,5.18) 26.24,4.94 26.24,3.36 27.02,2.59 27.02,1.34 P4.2
  Bottom Layer w0.152: v1(38.3,13.7) 38.3,13.68 38.76,13.22 39.34,13.22 39.4,13.28 41.38,13.28 v2(42.08,12.58) 42.15,12.5 U2.15
FLASH_IO2: length 21.2
  Top Layer w0.203: v2(37.93,17.08) 38.28,17.43 U1.M7 ; v2(26.6,4.38) M1.3
  Mid2Sig1 w0.152: v2(37.93,17.08) 37.9,17.08 37.05,16.23 33.83,16.23 32.6,15 32.6,13.83 33.03,13.4 v2(33.05,13.4)
  Mid3Sig2 w0.152: v2(26.6,4.38) 27.55,5.33 27.55,8.17 30.74,11.36 31.01,11.36 v2(33.05,13.4)
FLASH_IO3: length 20.3
  Top Layer w0.152: M1.7 31.65,4.83 32.17,4.83 v2(32.2,4.8)
  Top Layer w0.203: v2(37.93,16.25) 38.3,16.62 U1.N7
  Mid2Sig1 w0.152: v2(37.93,16.25) 37.55,15.88 33.95,15.88 32.97,14.9 32.97,14.12 33.53,13.58 v2(33.53,13.35)
  Mid3Sig2 w0.152: v2(33.53,13.35) 31.26,11.08 30.85,11.08 30.64,10.87 30.64,10.82 29.68,9.85 29.68,7.32 v2(32.2,4.8)
FLASH_SCLK: length 33.8
  Top Layer w0.102: U1.N9 39.5,16.22 39.5,13.93 39.85,13.58
  Top Layer w0.152: M1.6 31.35,4.33 v2(32.15,4.33) 32.53,4.33 33.08,4.87 R24.1
  Top Layer w0.203: 39.85,13.58 40.24,13.19 40.79,13.19 v2(41.45,12.53)
  Mid2Sig1 w0.152: v2(41.45,12.53) 41.45,11.62 42.25,10.83 42.91,10.83 43.6,10.14 43.6,5.68 42.57,4.65 34.03,4.65 33.7,4.33 v2(32.15,4.33)
  Mid3Sig2 w0.152: P4.3 31.71,4.33 v2(32.15,4.33)
  Bottom Layer w0.152: U2.14 41.65,12.33 v2(41.45,12.53)
FPGA_1P8V: length 62.8
  Top Layer w0.102: U1.F7 38.7,22.62 v1(38.7,23.45) ; v1(36.3,21.05) 36.3,21.56 36.59,21.85 37.13,21.85 U1.F6
  Top Layer w0.254: U1.F6 U1.F7
  Top Layer w0.381: U1.L11 U1.K11 U1.J11 U1.H11 ; v1(31.4,15.54) 30.96,15.1 Q5.4
  Mid2Sig1 w0.254: 36.3,21.03 v1(36.3,21.05)
  Mid2Sig1 w0.381: v1(37.5,19.83) 37.12,19.45 v1(35.5,19.45) ; v1(37.5,19.83) 36.3,21.03 ; v1(37.5,19.83) v1(37.5,18.22)
  Mid2Sig1 w0.508: v1(41.5,18.23) 41.68,18.4 44.87,18.4 v1(45.12,18.65) 46.03,18.65 v5(46.2,18.83) ; v1(40.7,22.23) 39.47,23.45 v1(38.7,23.45)
  Bottom Layer w0.254: v1(36.3,21.05) 36.18,20.93 C119.1 35.55,21.45 C84.1 ; C90.1 42.12,18.12 C93.1 41.6,18.12 v1(41.5,18.23) ; v1(41.5,19.03) C97.1
  Bottom Layer w0.381: 37.2,16.9 37.18,16.88 C83.1 36.4,16.46 C86.1 35.25,16.12 34.67,15.54 v1(31.4,15.54) ; 37.2,16.9 37.2,17.5 37.5,17.8 v1(37.5,18.22) ; 37.2,16.9 37.2,16.45 C89.1 37.8,15.65 R14.1 R13.1 R15.1 38.45,14.33 38.15,14.33 37.73,13.9 R32.2 ; v1(35.5,19.45) 34.47,19.45 C87.1 34.01,19.08 C81.1 34,18.52 C107.1 ; v1(40.7,22.23) 40.7,22.73 C120.1 41.08,23.1 41.7,23.1 ; v1(41.5,20.62) 41.55,20.68 C115.1 ; 41.7,23.1 41.7,22.43 v1(41.5,22.23) ; 41.7,23.1 41.7,23.97 C114.1 42,24.22 C108.1 ; v1(38.7,23.45) 38.27,23.45 C118.1 38,23.83 C113.1
  Bottom Layer w0.508: 47.41,12.3 FPGA.6 ; 47.41,12.3 46.81,12.3 46.22,12.89 R5.2 R12.2 46.22,18.8 v5(46.2,18.83) ; 47.41,12.3 46.72,11.6 R33.2 ; v1(37.5,19.83) v1(38.3,19.83) 38.46,19.98 41.34,19.98 v1(41.5,19.83) 41.63,19.95 42.15,19.95
FPGA_CLK: length 8.3
  Top Layer w0.102: U1.M2 34.54,17.43 34.96,17 35.26,17 35.48,16.78 35.48,15.67 35.26,15.45 34.99,15.45 34.73,15.18 34.73,14.91 34.44,14.63 32.63,14.63
  Top Layer w0.203: Q5.3 31.9,13.9 32.63,14.63
FPGA_CLK_EN: length 7.2
  Top Layer w0.152: v2(33.88,12.8) 33.88,13.8 U1.T2 ; v2(30.38,15.58) 30.1,15.58 29.78,15.25 Q5.1
  Mid2Sig1 w0.152: v2(33.88,12.8) 33.12,12.8 30.35,15.57
FPGA_Control_Reset: length 3.6
  Top Layer w0.152: U1.T6 37.36,14.08 v2(37.36,12.54)
  Bottom Layer w0.152: U2.6 37.57,11.85 37.57,12.33 37.15,12.75 37.15,13.38
FPGA_InitN: length 23.2
  Mid3Sig2 w0.152: v2(40.15,2.45) 44.6,2.45 46.18,4.03 46.18,12.1 44.06,14.23 v1(39.9,14.23)
  Bottom Layer w0.152: v2(40.15,2.45) U2.38 ; v1(39.9,14.23) 39.88,14.25 R15.2
FPGA_LED: length 2.8
  Top Layer w0.254: U1.B1 32.9,25.43 D3.2
FPGA_ProgramN: length 27.5
  Mid3Sig2 w0.152: v1(39.9,15.03) 39.91,15.03 43.65,15.03 46.46,12.22 46.46,3.92 44.62,2.08 40.02,2.08 39.65,2.45 39.62,2.45
  Bottom Layer w0.152: v2(39.65,2.45) U2.39 ; R13.2 39.83,14.95 v1(39.9,15.03) 40.85,15.98 C126.1
FPGA_TCK: length 9.9
  Top Layer w0.152: U1.T10 40.73,14.23 v2(41.12,14.62)
  Mid2Sig1 w0.152: v2(41.12,14.62) 41.12,13.88 41.33,13.68
  Mid2Sig1 w0.203: 47.83,14.31 47.2,13.68 41.33,13.68
  Mid2Sig1 w0.254: 47.83,14.31 FPGA.5
  Bottom Layer w0.203: R22.2 FPGA.5
FPGA_TDI: length 8.3
  Top Layer w0.102: U1.R11 41.53,15.03
  Top Layer w0.152: 41.53,15.03 v2(41.93,15.42)
  Mid2Sig1 w0.152: FPGA.4 48,15.43 41.93,15.43
  Bottom Layer w0.254: R5.1 48.03,15.45 FPGA.4
FPGA_TDO: length 9.3
  Top Layer w0.203: U1.M10 v2(41.09,17.04)
  Mid3Sig2 w0.203: v2(41.09,17.04) 41.09,16.98 41.41,16.65 46.6,16.65 46.8,16.85 FPGA.3
  Bottom Layer w0.203: R6.1 48.15,16.85 FPGA.3
FPGA_TMS: length 10.9
  Top Layer w0.203: U1.T11 41.5,14.28 v2(41.85,14.62)
  Mid2Sig1 w0.178: FPGA.2 46.69,16.65 42.15,16.65 41.5,16 41.5,14.98 v2(41.85,14.62)
  Bottom Layer w0.203: FPGA.2 48.14,18.12 R12.1
GPIO1: length 7.6
  Mid2Sig1 w0.254: P2.1 45.5,28.36 v1(45.5,21.43)
GPIO2: length 3.3
  Top Layer w0.254: P2.6 38.93,28.85 38.93,28.52 39.9,27.55 U1.A9
GPIO3: length 2.9
  Top Layer w0.254: U1.A10 40.7,28.08 P2.5
